# KiCad board robot-hub_rev4.1.kicad_pcb (continued)
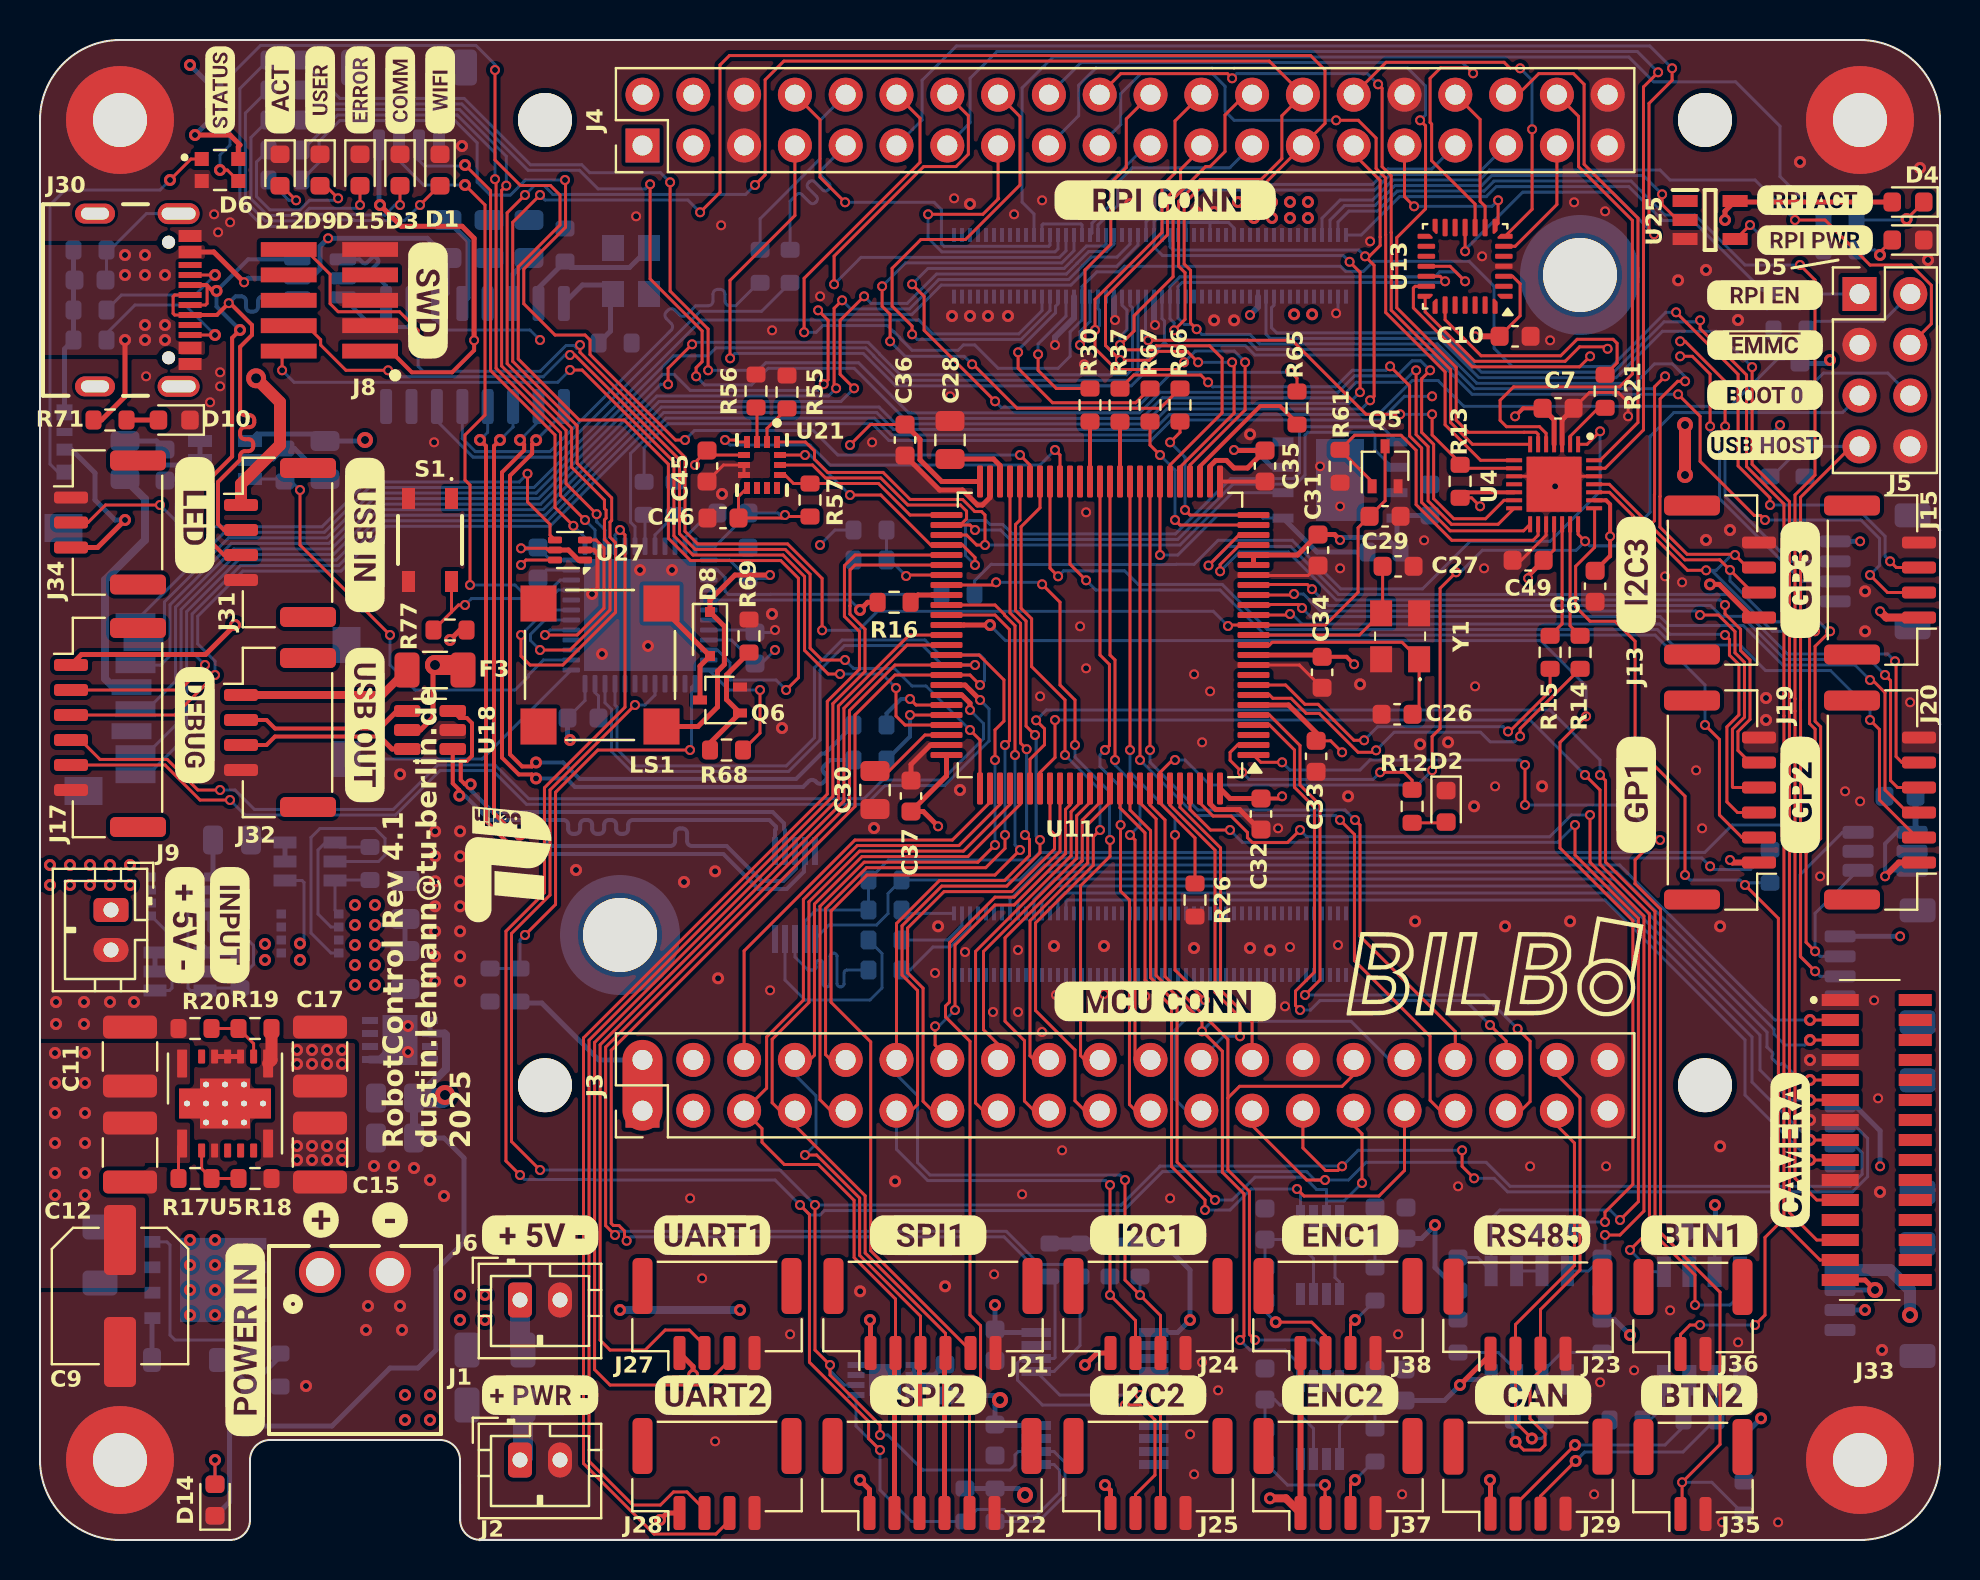
[diagram p0: board, top side]
## Nets (continued)
Net-(U29-2A): C56.1 R85.1 U29.3
Net-(U30-Rs): R80.1 U30.8

Pads without a net: D11 3; J8 6 7 8; J10 MP; J11 MP; J12 MP; J13 MP; J14 MP; J15 MP; J17 MP; J19 MP; J20 MP; J21 MP; J22 MP; J23 MP; J24 MP; J25 MP; J26 MP; J27 MP; J28 MP; J29 MP; J30 A8 B8 S2 S3 S4; J31 MP; J32 MP; J33 12 16 17 18 19 20 21 22 23 24 25 26 27 28 29 30; J34 MP; J35 MP; J36 MP; J37 MP; J38 MP; LS1 1 2; Module1 3 4 5 6 9 10 11 12 15 16 17 18 19 20 57 61 62 63 64 67 68 69 70 72 73 75 76 88 89 90 91 94 96 100 102 104 106 109 110 111 112 116 118 122 124 128 130 133 134 135 136 139 140 141 142 143 145 146 147 148 149 151 152 153 154 157 158 159 160 163 164 165 166 169 170 171 172 175 176 177 178 181 182 183 184 187 188 189 190 193 194 195 196 199 200; S1 1; U1 3 4 6 7 11 14 15 16 18 19 20 27 28 32 41 45 46; U4 11; U5 4 5 6 13; U6 3 4 6; U7 7; U8 7; U10 7; U11 3 9 40; U13 1 2 5 12 13 14 15 16 17 22 24 25 26 27 28; U15 7 8; U21 9 10 11; U22 3; U25 1; U28 2 6; U29 2 6; U30 5

## Via types
v1: diameter 0.6, hole 0.3, Top to Bottom, 250 vias
v2: diameter 0.5, hole 0.3, Top to Bottom, 396 vias
v3: diameter 1, hole 0.5, Top to Bottom, 3 vias
v4: diameter 0.8, hole 0.4, Top to Bottom, 7 vias

## Routing (per net, layer and track width the routed paths; a pad name or vN(x,y) marks a point on that pad's centre or on a via; arc(x,y) is an arc through that point)
3V3_CM4: length 394.9
  Top w0.15: U4.18 75.7,49.51 C49.1 ; v2(72,51.69) 71.58,52.11 R13.2 ; C10.1 74,61.21 74,62.81 73.63,63.19 U13.3
  Top w0.2: U4.12 71.28,52.39 ; C7.1 74.16,56.59 v2(73.75,56.19) ; C6.1 78.48,49.19 78.5,49.19 v2(78.5,50.19) 78.5,51.78 78.31,51.98 U4.23
  Top w0.25: J33.15 91.25,13 v4(91.75,12.5) ; U25.5 84.25,66.45 v1(84.25,66) ; v1(83.5,47.78) 83.96,47.78 85.62,46.12 ; v2(74.41,48.09) 74.41,48.21 C49.1 ; U4.4 75.7,56.01 C7.1 ; D4.2 84.3,66.9
  Top w0.3: v2(71.75,60.19) C10.1
  Top w0.4: J15.1 92.31,46.12 v2(92,46.44)
  Top w0.6: v4(82.25,53.25) v4(82.25,55.75)
  POWER w0.3: v2(73.75,56.19) 73.75,55.53 72,53.78 v2(72,51.69) ; 70.75,58.5 70.75,59.18 v2(71.75,60.19) ; v2(78.5,50.19) 78,50.69 74.66,50.69 74.41,50.44 v2(74.41,48.09) ; 94.25,35.94 94,36.19 85.87,36.19 83.5,33.82 v2(83.5,33.69) ; 94.25,30.44 94,30.19 v2(93,30.19) ; v2(69.6,57.19) 70.75,58.33
  POWER w0.4: 94.25,45.25 94.25,13.5 93.25,12.5 v4(91.75,12.5) ; 94.25,45.25 94.25,48.69 ; 94.25,45.25 93.06,46.44 v2(92,46.44) 87.56,46.44 86.22,47.78 v1(83.5,47.78) ; v2(74.41,48.09) 74.41,52.98 72.81,54.59 ; 72.81,54.59 70.75,56.64 70.75,58.33 ; 72.81,54.59 79.91,54.59 81.07,55.75 v4(82.25,55.75)
  POWER w0.5: 68,63 68,67.3 67.31,68 ; 67.31,68 37.5,68 36.25,66.75 35,66.75 33.89,67.86 33.89,71.04 J4.4 ; 67.31,68 78.5,68 80.5,66 v1(84.25,66)
  POWER w0.6: v4(82.25,53.25) 89.69,53.25 92,50.94 ; 70.75,58.33 70.75,58.5 68,61.25 68,63 68,61.19 67,60.19 64.56,60.19 63.6,61.14 v1(63.6,61.28) 63.5,61.28 63.54,61.25 62.74,61.25 v1(62.7,61.28) 62.67,61.25 v2(60.5,61.25) 59.75,62 50.85,62 49.15,60.3 46.05,60.3 42.5,56.75 31.04,56.75 26.54,61.25 21,61.25 20.25,60.5 20.25,57.5 17.75,55 v4(16.25,55) ; 92,50.94 v2(91,49.94) ; 92,50.94 94.25,48.69 ; J4.2 J4.4
  Bottom w0.15: U19.1 39.45,30.75 41.83,30.75 42.4,31.32 42.4,32.33 R53.1 48.98,33 50.08,34.1 83.09,34.1 v2(83.5,33.69) 83.66,33.53 85.52,33.53 R34.1 ; 30.2,52.91 30.2,54.61 31.41,55.82 41.61,55.82 42.45,54.98 55.55,54.98 56.58,56 67.04,56 68.22,57.19 v2(69.6,57.19)
  Bottom w0.25: v4(16.25,55) 16.2,54.95 C20.1 ; U9.1 10.85,55.3 13.9,55.3 ; J26.1 v2(91,49.94) ; 90.25,30.19 v2(93,30.19) ; J12.2 v4(91.75,12.5)
  Bottom w0.3: v2(60.5,61.25) 60.9,61.65 Module1.78
5V_EXT: length 10.7
  Bottom w0.15: 10,27.6 8.38,27.6 ; Q2.1 8.08,33.15 7.4,32.47 7.4,27.6 7.52,27.48 U2.6
  Bottom w0.25: Q2.1 8.65,33.36 C1.1
5V_IN: length 4.9
  Bottom w0.15: U2.1 6.47,27.48 6.6,27.6 6.6,30.16 Q2.5
5V_REG: length 5.9
  Top w0.6: R19.1 11.57,24 U5.8
  Bottom w0.15: v1(13,29.83) 13.2,30.03 13.2,32.88 13.1,32.98 U3.1
  vias: v1(11.25,29.8) v1(11.25,29) v1(12.85,24.5) v1(12.85,23.8) v1(12.85,19.7) v1(12.85,19) v1(13,29) v1(13.6,24.5) v1(13.6,23.8) v1(13.6,19.7) v1(13.6,19) v1(14.35,24.5) v1(14.35,23.8) v1(14.35,19.7) v1(14.35,19) v1(15.1,24.5) v1(15.1,23.8) v1(15.1,19.7) v1(15.1,19)
5V_USB: length 168
  Top w0.25: v2(10.2,62.89) 8.69,64.4 J30.A4_B9 ; R71.1 3.07,56 4.25,57.17 v1(4.25,60)
  Top w0.6: v3(10.8,58.09) 12,56.89 12,54.75 10.05,52.8 J31.1
  POWER w0.25: v2(87,55.75) 87,66.01 85.25,67.76 85.25,73.75 84.5,74.5 25,74.5 20.1,69.61 20.1,66.98 18.8,65.69 15.5,65.69 14.91,65.09 v2(14.41,65.09)
  POWER w0.4: v2(39,49.75) 41.25,49.75 42.75,51.25 42.75,54.75 41.75,55.75 28.4,55.75 25,59.15 v2(25,60)
  POWER w0.6: v3(10.8,58.09) 9.64,59.25 8,59.25 7.25,60
  Bottom w0.15: R24.1 39.75,50.5 v2(39,49.75) ; R8.1 86.5,55.25 v2(87,55.75) ; v2(25,60) 24.5,60.5 20.3,60.5 19.84,60.95 U15.11
  Bottom w0.25: v2(10.2,62.89) 10.41,63.09 U16.5 13.53,63.09 14,63.56 14,64.69 v2(14.41,65.09) 19.36,65.09 20.35,64.1 20.35,62.33 U15.11
  vias: v1(0.5,33.75) v1(0.5,32.75) v1(1.5,33.75) v1(1.5,32.75) v1(2.5,33.75) v1(2.5,32.75) v1(3.5,33.75) v1(3.5,32.75) v1(4.25,64.25) v1(4.25,63.25) v1(4.5,33.75) v1(4.5,32.75) v1(5.25,64.25) v1(5.25,63.25) v1(5.25,60.75) v1(5.25,60) v1(6.25,63.25) v1(6.25,60.75) v1(6.25,60)
+3V3: length 635.3
  Top w0.15: C33.1 64.53,39.96 v2(65.1,39.39) ; v2(24.05,49.59) 25.31,49.59 25.4,49.5 U27.5 ; C45.1 32.75,53.88 v2(32.75,53.75) ; C36.1 41.53,55.78 v2(40.5,54.75) ; 33.57,54.25 U21.5 ; R57.1 37.32,51.17 v2(37.25,51.25) 37.1,51.1 C46.1 34.92,52.17 35.35,52.6
  Top w0.2: v2(21.7,59.98) 21.7,59.48 20.6,58.39 18.59,58.39 17.53,59.45 ; C32.1 62,37.08 v2(62.1,37.19) ; v2(65.7,43.78) 65.33,44.16 C34.1
  Top w0.25: v1(31,1) 31.35,1.35 J28.1 ; J24.1 52.85,9.35 v1(52.25,8.75) ; R77.1 21,45.5 v1(20.5,45) ; U27.1 26.92,49 26.42,49.5 U27.5 ; J29.1 72.53,2.98 v1(72.5,3) ; U11.6 62.42,41.75 63.88,40.3 ; U11.50 45.08,52.92 44,54.01 44,55.03 C36.1 ; v1(17,66.75) 18.06,65.69 21.1,65.69 21.7,65.09 v2(21.7,59.98) ; v2(65,50) 64.72,50.28 C31.1 62.88,49.25 U11.21 U11.20 ; J27.1 32.65,8.67 v1(32.65,8.25) ; J22.1 41.47,2.53 v1(41,3) ; U11.100 59.5,37.08 C32.1 ; LS1.P 32.9,40.67 33.88,41.65 33.88,43.44 34.22,43.78 34.22,45.68 33.5,46.4 33.5,47 34.75,48.25 v2(36.5,48.25) ; J25.1 53.53,2.47 v1(53.25,2.75) ; 64.01,44.25 U11.11 ; v2(44.91,35.69) 44.16,36.42 C37.1 45.32,38.2 U11.75 ; v1(9.75,45.75) 8.27,44.28 2.07,44.28 J17.1 ; v1(41.5,11) 41.53,10.98 J21.1 ; 72.53,9.28 v1(71,7.75) ; v2(59.7,54.5) 59.72,54.48 C35.2 60.38,53.6 59.7,53.6 59.32,53.98 58.79,53.98 58.5,53.69 U11.27
  Top w0.3: J19.1 84.62,33.88 v2(84.5,34) ; J20.1 92.94,33.88 v2(92.25,33.19)
  POWER w0.3: v2(65.7,43.78) 65.31,43.39 65,43.39 ; v2(62.1,37.19) 62.23,37.19 62.92,36.5 ; 85.5,18.5 85.65,18.35 91.67,18.35 v2(92,18.69) ; 44.5,36.5 44.91,36.09 v2(44.91,35.69)
  POWER w0.4: v1(7.5,73.75) 7.5,73.25 9,71.75 15,71.75 17,69.75 v1(17,66.75) ; v2(65.1,39.39) 64.97,39.25 64,39.25 ; 67.62,47.39 78.41,47.39 80.91,49.89 80.91,53.69 81.91,54.69 87.69,54.69 89.5,56.5 v1(89.5,59) ; J3.3 34,22.81 34,26.19 32.44,27.75 25.75,27.75
  POWER w0.5: v1(20.5,45) 19.1,46.39 19.1,50.5
  POWER w0.6: 34.25,12.69 37.57,12.69 39.25,11 v1(41.5,11) ; 34.25,12.69 34.25,19.88 J3.3 ; 34.25,12.69 33.5,11.93 33.5,9.5 32.65,8.65 v1(32.65,8.25) 31,6.6 v1(31,1) ; v1(41.5,11) 47,11 v1(47.75,11.75) 49.25,11.75 v1(52.25,8.75) 54.5,11 v1(57.5,11) 61.5,7 70.25,7 v1(71,7.75) ; v1(41.5,11) 41,10.5 v1(41,3) ; v1(41.5,11) 44,11 v4(48,7) 49.25,5.75 v4(49.25,2.25) 49.75,2.75 v1(53.25,2.75) ; v2(21.7,59.98) 22.77,59.98 26.75,56 26.75,52.75 24.05,50.05 v2(24.05,49.59) ; v1(71,7.75) 72.5,6.25 v1(72.5,3) ; v1(71,7.75) 73.5,10.25 ; 30,36.5 v1(26.5,40) 26.5,47.29 24.2,49.59 v2(24.05,49.59) ; 30,36.5 28.32,36.5 25.75,33.94 25.75,27.75 ; 30,36.5 38.91,36.5 ; v2(24.05,49.59) 23.13,50.5 14.5,50.5 v1(9.75,45.75) ; v1(79.5,10.25) 79.5,12.5 v1(83.75,16.75) 85.5,18.5 85.5,31 86.25,31.75 86.25,32.74 84.99,34 v2(84.5,34) 91.44,34 v2(92.25,33.19) ; v1(79.5,10.25) 73.5,10.25 ; v1(79.5,10.25) 83.66,6.09 v1(86.05,6.09) 86.05,6.8 90.75,11.5 v1(91.25,11.5) ; v2(37.25,51.25) 40.5,54.5 v2(40.5,54.75) ; v2(37.25,51.25) 37.45,51.05 37.45,48.28 ; v2(37.25,51.25) 34.75,53.75 v2(32.75,53.75) ; v2(36.75,44.5) 37.23,44.5 37.45,44.28 ; 37.45,48.28 37.45,44.28 ; 37.45,48.28 37.41,48.25 v2(36.5,48.25) ; 37.45,44.28 37.45,44.14 38.91,42.69 38.91,36.5 ; 38.91,36.5 62.92,36.5 64,37.58 64,39.25 65,40.25 65,44.77 67.62,47.39 v2(65,50) 60.5,54.5 v2(59.7,54.5) ; 73.5,10.25 73.5,12.5 70.25,15.75 v1(69.75,15.75)
  POWER w1: v3(20.25,22.25) 25.75,27.75
  Bottom w0.15: 36.07,43.83 v2(36.75,44.5) ; C3.1 34.57,45 U1.9 ; U26.5 9,71.64 8.5,72.14 U26.1 ; v2(36.5,48.25) 36.32,48.08 C5.1 34.47,49 U1.1 ; R89.2 R78.1 ; C51.1 67.42,7.8 65.12,7.8 ; U1.36 25.53,49 C4.1 ; U1.24 27.25,41.98 C14.1 ; U29.8 65.38,15.8 67.57,15.8 C50.1 ; U1.48 33.76,49.69 C16.1 36.9,51.35 37,51.25 v2(37.25,51.25) ; 83.73,15.41 U30.3
  Bottom w0.2: U12.6 92.56,33.48 v2(92.25,33.19) 92.25,34.81 92.83,35.39 U12.4
  Bottom w0.25: C51.1 70.22,6.98 v1(71,7.75) 71.28,8.03 U31.8 ; C14.1 26.38,40.12 v1(26.5,40) ; R81.1 69.75,13.62 v1(69.75,15.75) 69.07,15.08 C50.1 ; C22.2 67.98,51.23 U10.8 67.85,49.58 ; v2(59.7,54.5) 60.75,54.5 61.62,53.64 ; U26.1 8.5,72.75 v1(7.5,73.75) ; v1(89.5,59) 89.32,58.83 R47.1 ; J12.3 v1(91.25,11.5) ; C52.1 83.78,16.73 v1(83.75,16.75) ; C21.1 v1(47.75,11.75) ; R27.1 56.17,14.83 57.5,13.5 v1(57.5,11) 56.88,10.38 U7.1 ; J10.1 16.95,66.8 v1(17,66.75) ; R74.1 9.48,1.9 9.48,5.52 9.65,5.7 14.6,5.7 17.5,8.6 18.9,8.6 19.8,9.5 19.8,13.5 21.2,14.9 21.2,19.1 20.2,20.1 C19.1 ; C23.1 47.75,6.75 v4(48,7) 47.78,7.23 C48.1 44.72,7.75 U22.7 U22.8 ; v1(79.5,10.25) 78.72,11.03 R89.2 ; U7.8 47.9,10.38 ; U6.1 U6.2 ; U8.8 47.8,5.73 ; R10.2 R9.2 48.92,2.57 v4(49.25,2.25) ; v2(24.05,49.59) 24.86,49.59 ; J14.1 90.78,21.69 92,20.46 v2(92,18.69) ; v2(65,50) 65.13,50.13 67.3,50.13 R22.1 ; v1(86.05,6.09) 85.2,5.23 R76.1
  Bottom w0.3: C8.1 93.78,35.56
  Bottom w0.4: C19.1 C18.1 ; 18.85,22.1 20.3,23.55 20.3,25.25 20.22,25.33 U6.2
  Bottom w0.6: R32.1 R27.1
  Bottom w1: v3(20.25,22.25) 20.1,22.1 C18.1
+5V: length 310.3
  Top w0.15: U27.6 24.3,49 v2(24.05,48.75)
  Top w0.25: J34.3 2.88,49.62 v1(4.25,51) ; v3(19.75,43.75) 19.65,43.65 19.65,41.13 19.02,40.5 U18.5 ; D6.4 9.91,69.66 10,69.75 9.5,70.25 v1(7.75,70.25)
  Top w0.3: J38.1 J37.1
  Top w0.4: J37.1 62.29,2.09 v1(61.5,2.09)
  Top w1: 21.15,43.5 20.9,43.75 v3(19.75,43.75)
  POWER w0.25: v1(4.25,51) 6.25,51 9,48.25 ; v2(24.05,48.75) 23.75,48.45 23.75,46.25 21.25,43.75 v3(19.75,43.75)
  POWER w0.4: v1(29,11.5) 27,9.5 21.75,9.5 ; 15.38,59.38 15.38,61.62 13.7,63.28 11.3,63.28 10.25,64.34 10.25,69.25 9.25,70.25 v1(7.75,70.25)
  POWER w0.6: v1(35,11.5) 36.5,10 36.5,2.5 38,1 61.5,1 ; v4(93.5,11.25) 92.5,11.25 92.48,11.23 92.48,11.2 92.05,10.77 92.02,10.77 82.25,1 61.5,1 ; 7.25,46.5 10,43.75 v3(19.75,43.75) ; 61.5,1 v1(61.5,2.09)
  POWER w1: 22.5,16.75 16.75,22.5 v1(16.75,27.75) ; 22.5,16.75 22.5,15 21.5,14 21.5,11.5 ; 22.5,16.75 26.25,16.75 27.75,18.25 27.75,25.43 28.25,25.94 32,25.94 32.66,25.28 J3.4
  POWER w1.5: J4.3 J4.1 27.75,67.35 27.75,63.75
  POWER w2.5: v1(62.5,66.1) 60.88,64.48 38.6,64.48 38.02,63.9 18.32,63.9 15.38,60.95 15.38,59.38 9,53 9,48.25 5.75,45 5.75,37.5 11.5,31.75 v1(15.75,31.75)
  Bottom w0.15: R6.1 14.77,33 ; Q3.1 14.75,31.49 U3.6
  Bottom w0.25: D11.2 1.58,54.52 2.75,53.35 2.75,52 3.75,51 v1(4.25,51) ; v1(16.75,29.75) 17.95,29.75 ; C2.1 C13.1 ; v1(16.75,30.75) 17.95,30.75 ; U26.6 v1(7.75,70.25)
  Bottom w0.4: v1(29,11.5) v1(35,11.5)
  Bottom w0.6: v4(93.5,11.25) 93.5,12.5 92.5,13.5 J12.1
  vias: v1(15.75,30.75) v1(15.75,29.75) v1(15.75,28.75) v1(15.75,27.75) v1(16.75,31.75) v1(16.75,28.75) v1(21,12.25) v1(21,11) v1(22.25,12.25) v1(22.25,11) v1(59.9,66.9) v1(60.7,66.9) v1(60.7,66.1) v1(61.6,66.9) v1(61.6,66.1) v1(62.5,66.9) v1(63.4,66.9) v1(63.4,66.1)
GND: length 93.5
  Top w0.15: C49.2 74.06,48.98 75.31,50.23 U4.17 ; v2(79.41,56.19) 79.41,56.89 78.91,57.38 77.48,57.38 C7.2 ; C34.2 62.97,43.75 U11.10 ; U4.26 76.1,53.19 ; 60.7,48.23 63.4,48.23 C31.2 ; U4.10 75.31,53.19 ; C45.2 34.17,53.75 U21.6 U21.7
  Top w0.2: C35.1 U11.26 ; v1(27.6,47.3) 27.87,47.57 27.87,49.33 27.7,49.5 U27.2
  Top w0.25: U11.74 44.53,39.75 43.55,38.77 C37.2 ; 60.97,35.53 59.98,36.52 58.79,36.52 58.5,36.81 U11.99 ; C7.2 76.1,56.01 U4.3 ; U11.49 47.5,52.13 47.12,51.75 46.87,51.75 46.12,52.5 44.97,52.5 C36.2 ; 8.73,24.17 U5.10
  Bottom w0.15: Module1.33 52.1,65.75 52.05,65.8 50.15,65.8 50.1,65.75 Module1.23 ; C14.2 27.92,42.2 27.75,42.38 U1.23 ; U9.2 11.67,54 R23.1 ; 58.5,65.85 58.53,65.88 59.42,65.88 59.7,65.6 Module1.71 ; 58.5,65.85 Module1.65 ; 58.5,65.85 58.47,65.88 57.32,65.88 57.3,65.85 ; Module1.53 56.1,65.85 56.12,65.88 57.28,65.88 57.3,65.85 ; U1.35 25.32,48.5 C4.2 ; U1.8 35.62,45.5 ; U1.47 32.25,50.12 33.48,51.35 C16.2 ; v2(64.81,61.34) 64.9,61.43 Module1.98 ; 57.3,65.85 Module1.59 ; v2(36.75,45.5) 36.62,45.38 C3.2
  Bottom w0.25: R23.1 12.72,54.58 C20.2 ; U15.12 21.4,62.11 21.4,64.95 C42.2 ; C48.2 44.72,8.25 U22.6 U22.5 ; U2.3 U2.2 ; C24.2 5.82,54.95 C25.2 ; C1.2 12.12,35 ; D11.4 1.22,59.55 R48.2 R50.2 ; U3.2 U3.3
  Bottom w0.3: Module1.52 55.7,60.8 v2(55.75,60.75) ; v2(53.75,61) 53.7,61.05 Module1.42 ; Module1.32 51.7,61.1 50.75,60.15 v2(50.75,59.75)
  Bottom w0.4: U6.9 17.02,24.03 U6.5
  vias: v1(0.8,26.9) v1(0.8,25.8) v1(2.2,26.9) v1(2.2,25.8) v1(3.5,26.9) v1(4.7,26.9) v1(13.3,7.7) v1(16.3,10.5) v1(16.4,11.7) v1(16.7,18.7) v1(17.7,18.7) v1(18,38.28) v1(18,11.7) v1(18.1,10.5) v1(18.4,25.7) v1(18.4,24.4) v1(18.7,18.6) v1(19.5,18) v1(19.75,35.44) v1(19.75,34.19) v1(19.75,32.94) v1(19.75,31.69) v1(19.75,30.44) v1(19.75,29.19) v1(19.75,27.94) v1(20.2,17.2) v1(21,35.44) v1(21,34.19) v1(21,32.94) v1(21,31.69) v1(21,30.44) v1(21,29.19) v1(21,27.94) v1(21.1,69.7) v1(26.8,33.5) v1(28.1,44.3) v1(30,48.5) v1(30.4,44.7) v1(31.6,48.5) v1(32.2,32.9) v1(33.75,33.44) v1(33.91,28.09) v1(34.1,52.3) v1(36.6,46.3) v1(37.1,40.6) v1(41,12.44) v1(41.7,35.6) v1(42.75,17.94) v1(44.91,30.69) v1(45.25,12.69) v1(45.6,61.2) v1(46,37.5) v1(46.5,66.8) v1(46.5,61.2) v1(47.4,61.2) v1(48.4,61.2) v1(50.7,29.7) v1(51.5,66.89) v1(53.2,29.7) v1(54.5,66.8) v1(57.7,29.6) v1(57.8,66.4) v1(58.7,66.4) v1(58.7,60.98) v1(59.7,60.98) v1(60.5,55.28) v1(60.5,29.6) v1(61.5,29.48) v1(65.41,37.19) v1(66,42.78) v1(68.75,30.94) v1(69,39.78) v1(70.41,39.89) v1(71.7,36.69) v1(73.25,30.69) v1(75.1,37.69) v1(76.5,30.94) v1(81.91,62.98) v1(83.3,63.5) v1(83.3,50) v1(84,30.69) v1(84,19.69) v1(84.5,50.5) v1(84.9,61) v1(86.3,42.1) v1(86.3,41) v1(88,68.9) v1(88.5,24) v1(88.5,21) v1(91.25,47.44) v1(91.25,45.44) v1(92,17.4) v1(92.1,9.5) v1(94,68.6) v1(94.4,64) v2(5.3,58.19) v2(8.5,56.89) v2(8.7,66.28) v2(8.91,65.39) v2(9,58.39) v2(9,57.69) v2(9.5,65.89) v2(19.7,54.89) v2(29.81,66.19) v2(32.5,17.09) v2(33.1,13.09) v2(33.75,4.94) v2(34.06,65.73) v2(36.5,27.48) v2(36.6,60.48) v2(37.5,10.28) v2(39,62.19) v2(41.6,54.89) v2(44.75,28.35) v2(45.5,57.19) v2(45.7,67.09) v2(46.25,29.4) v2(47.65,26.4) v2(47.7,13.28) v2(48.7,66.28) v2(48.9,29.5) v2(48.9,26.4) v2(49.1,17.28) v2(50,42.19) v2(50.1,66.98) v2(50.1,25.4) v2(50.8,27.25) v2(51.1,19.48) v2(52,45.69) v2(52.2,58.78) v2(52.31,51.39) v2(52.31,43.59) v2(53.2,27.3) v2(55.25,27.19) v2(56.5,17.09) v2(57.5,5.28) v2(57.7,43.28) v2(57.7,3.28) v2(58.1,39.89) v2(58.1,8.89) v2(58.5,42.44) v2(58.91,7.48) v2(61.45,27.3) v2(61.91,35.59) v2(62.25,26.69) v2(62.5,29.65) v2(64,53.69) v2(64.9,29.75) v2(65,51.69) v2(65,48.59) v2(66.5,64.94) v2(67.91,10.28) v2(68.1,2.28) v2(69.2,49.98) v2(70.91,17.69) v2(71.75,42.69) v2(72.1,64.19) v2(72.2,48.59) v2(72.75,37.69) v2(74.5,18.69) v2(75.5,59.98) v2(75.75,52.69) v2(76.7,66.89) v2(77.7,2.28) v2(78,7.89) v2(78.25,66.44) v2(78.31,18.69) v2(79.7,8.48) v2(81.25,48.19) v2(81.5,11.48) v2(82.1,47.89) v2(82.81,38.48) v2(83.1,35.59) v2(84.1,0.88) v2(84.91,9.89) v2(86.91,0.88) v2(89,33.19) v2(90.25,37.44) v2(91,36.94) v2(91.7,26.98) v2(91.91,22.09) v2(93.5,41.89)
/Microcontrollers/UC_USB_N: length 4
  Top w0.15: U11.70 43.8,41.75 v2(43.5,42.05)
  Bottom w0.2: v2(43.5,42.05) 43.05,42.05 42.32,41.33 R35.1
/Microcontrollers/UC_USB_P: length 4.6
  Top w0.15: U11.71 v2(43.5,41.25)
  Bottom w0.2: R36.1 43.5,40.17 v2(43.5,41.25)
/USB/SL21_PORT_2_N: length 22.6
  Bottom w0.15: U15.5 21.11,55.07 21.77,54.42 25.49,54.42 31.47,60.4 31.56,60.49 arc(31.63,60.66) 31.56,60.83 31.32,61.07 arc(31.25,61.24) 31.32,61.41 31.4,61.49 arc(31.57,61.56) 31.74,61.49 31.98,61.25 arc(32.15,61.18) 32.32,61.25 32.78,61.71 33.41,61.71 arc(33.58,61.78) 33.65,61.95 33.65,62.29 arc(33.72,62.46) 33.89,62.53 34.01,62.53 arc(34.18,62.46) 34.25,62.29 34.25,61.95 arc(34.32,61.78) 34.49,61.71 34.78,61.71 35.93,62.86
/USB/SL21_PORT_2_P: length 22
  Bottom w0.15: 19.84,55.95 21.65,54.14 25.71,54.14 33,61.44 36.08,61.44 R39.1
ADC_V_PWR: length 22.1
  Top w0.15: v2(32.5,39.5) 27.89,39.5 25.78,37.39 25.78,31.78 v2(24.25,30.25)
  Bottom w0.15: U1.13 32.58,42.64 32.58,39.58 v2(32.5,39.5) ; R42.2 R41.1 24,30 v2(24.25,30.25)
BOOT0: length 57.9
  Top w0.15: R26.1 57.75,35.1 56,36.85 ; v2(56.75,39) 56.63,39 56,38.37 U11.94 ; v2(77.25,49.94) 76.91,50.28 U4.21 ; v2(69.6,38.48) 69.6,40.18 70,40.58 70,47.59 v2(70.81,48.39)
  Bottom w0.15: v2(69.6,38.48) 68.87,37.75 58.5,37.75 57.25,39 v2(56.75,39) ; v2(70.81,48.39) 71.01,48.39 72.11,49.48 76.81,49.48 v2(77.25,49.94) 77.48,49.71 78.83,49.71 80.5,51.39 80.5,55.19 81.69,56.37 90.12,56.37 J5.5
CAM_GPIO: length 75.4
  Top w0.15: v2(88,63.75) 88.75,63 88.75,53.25 87.75,52.25 87.75,42.06 87.75,42.06 87.75,41.44 87.75,41.44 87.75,18.09 88.84,17 J33.11
  Bottom w0.15: Module1.97 64.9,65.9 65.45,66.45 66.86,66.45 67.86,67.45 72.2,67.45 72.7,67.95 79.55,67.95 81.25,66.25 82.75,66.25 85.25,63.75 v2(88,63.75)
CAM_SCL: length 74.9
  Top w0.15: J33.13 88.84,15 87.47,16.36 87.47,41.32 87.47,41.32 87.47,42.18 87.47,42.18 87.47,51.92 85.61,53.79 v2(85.61,58.64)
  Bottom w0.15: v2(85.61,58.64) 83.81,60.44 81.12,60.44 78.8,58.12 71.95,58.12 69.98,60.08 61.51,60.08 61.3,60.29 Module1.80
CAM_SDA: length 75.5
  Top w0.15: J33.14 89,14 87.2,15.8 87.2,41.21 87.19,41.21 87.19,42.29 87.2,42.29 87.2,51.8 85.33,53.67 85.33,58.25 83,60.57 v2(83,60.98)
  Bottom w0.15: Module1.82 61.7,61.74 61.58,61.62 61.58,60.61 61.83,60.36 70.1,60.36 72.06,58.39 78.69,58.39 81.2,60.91 82.93,60.91 v2(83,60.98)
CAMC_N: length 46.4
  Top w0.15: J33.8 v1(88.5,20)
  Bottom w0.15: Module1.127 50.9,32.02 51.23,32.35 78.4,32.35 85.6,25.15 85.6,22.9 v1(88.5,20)
CAMC_P: length 46.3
  Top w0.15: J33.9 v1(88.5,19)
  Bottom w0.15: Module1.129 51.3,31.93 51.37,32 78.25,32 85.25,25 85.25,22.25 v1(88.5,19)
CAMD0_N: length 46.1
  Top w0.15: J33.2 v1(88.5,26)
  Bottom w0.15: Module1.115 48.5,32.02 50.23,33.75 78.98,33.75 86.23,26.5 86.25,26.5 86.75,26 v1(88.5,26)
CAMD0_P: length 46.1
  Top w0.15: J33.3 v1(88.5,25)
  Bottom w0.15: v1(88.5,25) 88.25,24.75 87.25,24.75 86.7,25.3 86.7,25.53 78.83,33.4 50.37,33.4 48.9,31.93 Module1.117
CAMD1_N: length 46.3
  Top w0.15: J33.5 v1(88.5,23)
  Bottom w0.15: Module1.121 49.7,32.02 50.73,33.05 78.69,33.05 86.35,25.39 86.35,24.65 86.62,24.38 arc(86.65,24.3) 86.62,24.22 arc(86.59,24.14) 86.62,24.06 86.89,23.8 arc(86.97,23.76) 87.05,23.8 arc(87.12,23.83) 87.2,23.8 88,23 v1(88.5,23)
CAMD1_P: length 46.3
  Top w0.15: J33.6 v1(88.5,22)
  Bottom w0.15: Module1.123 50.1,31.93 50.87,32.7 78.54,32.7 86,25.24 86,23.5 87.5,22 v1(88.5,22)
CANH: length 11.7
  Top w0.15: v1(76.75,4.75) 73.78,1.78
  Bottom w0.15: v1(76.75,4.75) 81.25,4.75 82.17,5.67 ; U30.7 82.47,6.29
CANL: length 13.1
  Top w0.15: J29.3 75.03,2.19 v1(76.78,3.95)
  Bottom w0.15: 83.75,6 82.15,4.4 77.23,4.4 v1(76.78,3.95) ; R86.2 83.82,7.9
CANRX: length 66.2
  Top w0.15: v2(82.75,11.75) 82.75,13.25 80.7,15.3 80.75,15.36 80.75,31.43 78.28,33.9 78.28,37.97 v2(78,38.25) ; v2(49.81,40.98) 50.22,40.56 50.22,39.76 49.5,39.04 U11.81
  Bottom w0.15: v2(78,38.25) 78,39 75.5,41.5 50.32,41.5 v2(49.81,40.98) ; U30.4 85,12.25 84.5,11.75 v2(82.75,11.75)
CANTX: length 59
  Top w0.15: U11.82 50,38.37 50.75,39.12 v2(50.75,41) ; v2(77.25,38.25) 78,37.5 78,33.78 80.47,31.31 80.47,15.47 v2(79.5,14.5)
  Bottom w0.15: v2(50.75,41) 74.5,41 v2(77.25,38.25) ; U30.1 80.59,13.41 v2(79.5,14.5)
CC1: length 7.4
  Top w0.15: J30.A5 v1(8.75,63.25)
  Bottom w0.15: R49.1 4.07,62.25 7.75,62.25 v1(8.75,63.25)
CC2: length 7.9
  Top w0.15: J30.B5 v1(8.75,60.25)
  Bottom w0.15: 3.32,60.33 4.75,61.75 7.25,61.75 v1(8.75,60.25)
CM4_EN: length 2.4
  Bottom w0.15: J5.1 88.53,62.3
CM4_EN_SIGNAL: length 73.8
  Bottom w0.15: J5.2 92.15,60.94 88.76,60.94 R46.2 84.51,56.69 71.19,56.69 69.91,57.97 68.62,57.97 66.92,56.28 56.46,56.28 55.44,55.25 42.56,55.25 41.72,56.09 31.3,56.09 29.53,54.32 29.53,50.89 29.75,50.67 U1.42
CM4_EXTENDER_STM_PA0: length 6.5
  Top w0.15: J4.37 75.84,66.78 73.75,64.69 U13.6
CM4_EXTENDER_STM_PA1: length 18.3
  Top w0.15: v2(74.6,70.53) 74.6,66.54 U13.7 ; v2(74,73.59) 73.5,73.59 73.2,73.89 67.31,73.89 J4.30
  Bottom w0.15: v2(74.6,70.53) 74.6,72.98 v2(74,73.59)
CM4_EXTENDER_STM_PA2: length 8.9
  Top w0.15: v2(68.7,66.69) 68.22,67.16 J4.31 ; U13.8 72.91,65.83 v2(72.91,66.98)
  Bottom w0.15: v2(68.7,66.69) 72.6,66.69 v2(72.91,66.98)
CM4_EXTENDER_STM_PA3: length 7.3
  Top w0.15: J4.34 72,71.03 72,66.94 72.25,66.69 U13.9
CM4_EXTENDER_STM_PA4: length 33
  Top w0.15: v2(71.66,73.34) 71.38,73.61 70.03,73.61 69.5,73.09 69.5,70.88 69.58,70.8 69.58,68.97 71.75,66.79 U13.10
  Bottom w0.15: J4.18 52.05,73.87 71.12,73.87 v2(71.66,73.34)
CM4_EXTENDER_STM_PA5: length 64.1
  Top w0.15: v2(80.7,65.28) 80.45,65.54 80.45,71.83 81.6,72.98 v2(81.6,73.59) ; U13.11 v2(71.25,64.44)
  Bottom w0.15: v2(80.7,65.28) 78.6,67.39 74.14,67.39 71.25,64.51 v2(71.25,64.44) ; J4.11 44.1,71 44.1,72.98 45.82,74.7 80.49,74.7 v2(81.6,73.59)
CM4_EXTENDER_STM_SWCLK: length 30.8
  Top w0.15: v2(83.5,55.69) 83.5,58.29 82.61,59.19 v2(82,59.19) ; U13.21 69.26,61.41 71.73,58.94 76.25,58.94 76.98,59.66 78.28,59.66 v2(78.38,59.56)
  POWER w0.3: v2(78.38,59.56) 78.75,59.19 v2(82,59.19)
  Bottom w0.15: v2(83.5,55.69) 83.5,55.44 83.98,54.96 83.98,52.07 88.11,47.94 J26.3
CM4_EXTENDER_STM_SWDIO: length 33
  Top w0.15: v2(82,59.94) 82.25,59.94 84.25,57.94 v2(84.25,55.69) ; v2(77.5,59.19) 76.98,58.66 71.62,58.66 68.67,61.61 68.67,62.6 68.75,62.69 U13.20
  POWER w0.3: v2(82,59.94) 81.7,60.23 78.1,60.23 77.5,59.64 v2(77.5,59.19)
  Bottom w0.15: v2(84.25,55.69) 84.25,52.19 87.5,48.94 J26.2
CM4_GPIO4: length 84
  Top w0.15: J4.7 37.75,66.23 34.5,62.98 34.5,59.09 v2(34.5,59.09) ; J15.2 92.38,47.38 v2(91.5,48.25) ; v2(86.25,51) 86.03,51.23 85.72,51.23 83,53.94 83,56.19 v2(81.91,57.28)
  Bottom w0.15: 56.22,59.88 56.39,59.72 60.27,59.72 60.74,59.25 69.64,59.25 71.6,57.28 v2(81.91,57.28) ; 56.22,59.88 56.22,60.95 56.1,61.07 Module1.54 ; 56.22,59.88 55.18,58.84 55.18,58.32 54.56,57.71 42.78,57.71 41.16,59.33 34.75,59.33 v2(34.5,59.09) ; v2(86.25,51) 91.05,51 91.98,50.07 91.98,48.73 v2(91.5,48.25)
CM4_GPIO5: length 89.8
  Top w0.15: v2(81.81,61.39) 82.33,60.86 82.33,60.86 84.91,58.28 84.91,53.7 86.5,52.11 v2(86.5,51.75) ; J15.3 92.81,48.62 v2(92.5,48.94) ; J4.12 44,71.09 44,68.88 38.2,63.09 v2(38.2,60.39)
  Bottom w0.15: v2(86.5,51.75) 90.69,51.75 92.25,50.19 92.25,49.19 v2(92.5,48.94) ; v2(38.2,60.39) 38.81,60.39 39.14,60.72 42.37,60.72 42.68,60.41 42.7,60.41 42.98,60.13 42.98,60.11 43.6,59.48 45.91,59.48 46.17,59.75 46.74,59.75 47.91,58.59 50.91,58.59 51.5,59.19 51.5,60.41 52.1,61 Module1.34 52.1,62.67 52.84,63.41 53.95,63.41 54.23,63.69 65.03,63.69 65.28,63.44 66.18,63.44 66.68,63.94 71.45,63.94 72.7,62.69 72.7,59.59 73.62,58.67 78.57,58.67 81.29,61.39 v2(81.81,61.39)
CM4_GPIO7: length 10.5
  Bottom w0.15: Module1.37 52.9,65.75 53.88,66.73 53.88,67.88 54.61,68.61 59.49,68.61 J4.25
CM4_GPIO9: length 28.7
  Top w0.15: 58.06,69.56 57.03,68.53 57.03,67.81 56.38,67.16 56.38,65.27 53.28,62.16 53.28,59.73 v2(54,59) 54.01,58.98 55.47,58.98 55.91,59.43 57.36,59.43 v2(57.91,58.89) ; 57,53.64 59.7,56.35 59.7,58.78 v2(59.6,58.89)
  Bottom w0.15: 53.28,62.14 53.28,59.73 v2(54,59) ; v2(59.6,58.89) v2(57.91,58.89)
CM4_GPIO10: length 30.7
  Top w0.15: 60.26,72.27 59.25,71.25 59.25,69.42 58.5,68.67 58.28,68.67 56.65,67.05 56.65,63.16 54.7,61.22 54.7,60.45 v2(54,59.75) 54.24,59.51 55.6,59.51 55.8,59.71 58.48,59.71 59.1,59.09 59.1,56.36 56.5,53.75 U11.31
  Bottom w0.15: v2(54,59.75) 54,60.16 54.35,60.51 54.35,61.5 54.1,61.74 Module1.44
CM4_GPIO11: length 32.6
  Top w0.15: v2(60.26,58.89) 60.26,56.51 57.5,53.75 U11.29 ; 52.75,60.25 52.75,59.58 53.8,58.53 56.84,58.53 v2(57.2,58.89) ; 52.75,60.25 v2(52.75,60.5) ; 52.75,60.25 52.75,62.03 56.1,65.38 56.1,67.7 56.75,68.35 56.75,70.95 J4.24
  Bottom w0.15: v2(52.75,60.5) 52.97,60.72 52.97,61.5 52.9,61.57 Module1.38 ; v2(60.26,58.89) 60.08,59.06 60.08,59.08 59.72,59.45 57.77,59.45 v2(57.2,58.89)
CM4_GPIO15: length 111.6
  Top w0.15: v2(66,57.39) 66,57.4 66,63.39 v2(65.48,63.91) ; J17.2 7,42.5 v2(8.25,43.75)
  Bottom w0.15: J4.35 71.86,68.28 67.52,68.28 66.74,67.5 56.2,67.5 56.03,67.33 56.03,66.25 55.7,65.92 Module1.51 55.7,64.65 56.13,64.22 65.17,64.22 v2(65.48,63.91) ; v2(8.25,43.75) 7.61,44.39 7.61,46.3 10.03,48.72 14.93,48.72 17.17,50.96 25.38,50.96 31.07,56.65 41.95,56.65 42.79,55.81 55.21,55.81 56.23,56.83 65.44,56.83 v2(66,57.39)